# Altium PCB LM-003.PcbDoc
Units mil, origin at the board's own origin, x right, y up, seen from the top; angles counter-clockwise.
Board outline 2638 x 7637.84 mil, 6 copper layers (Top Layer, +5V, +3.3V, Mid-Layer 1, Mid-Layer 2, Bottom Layer), stack 48.434 mil thick; 65 components, 94 nets, 419 pads, 62 vias.
Unrouted connection lines stored in the file: 1.
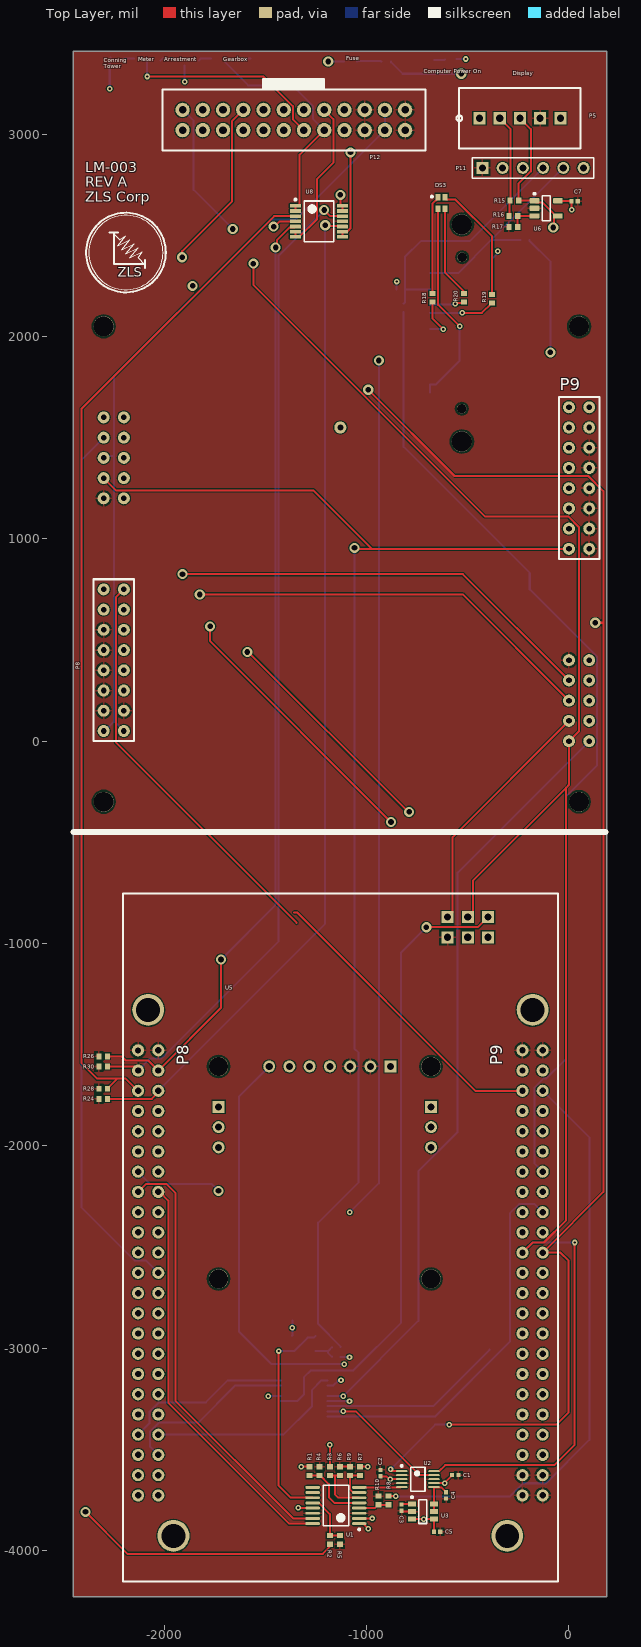
[diagram p0: Top Layer view]
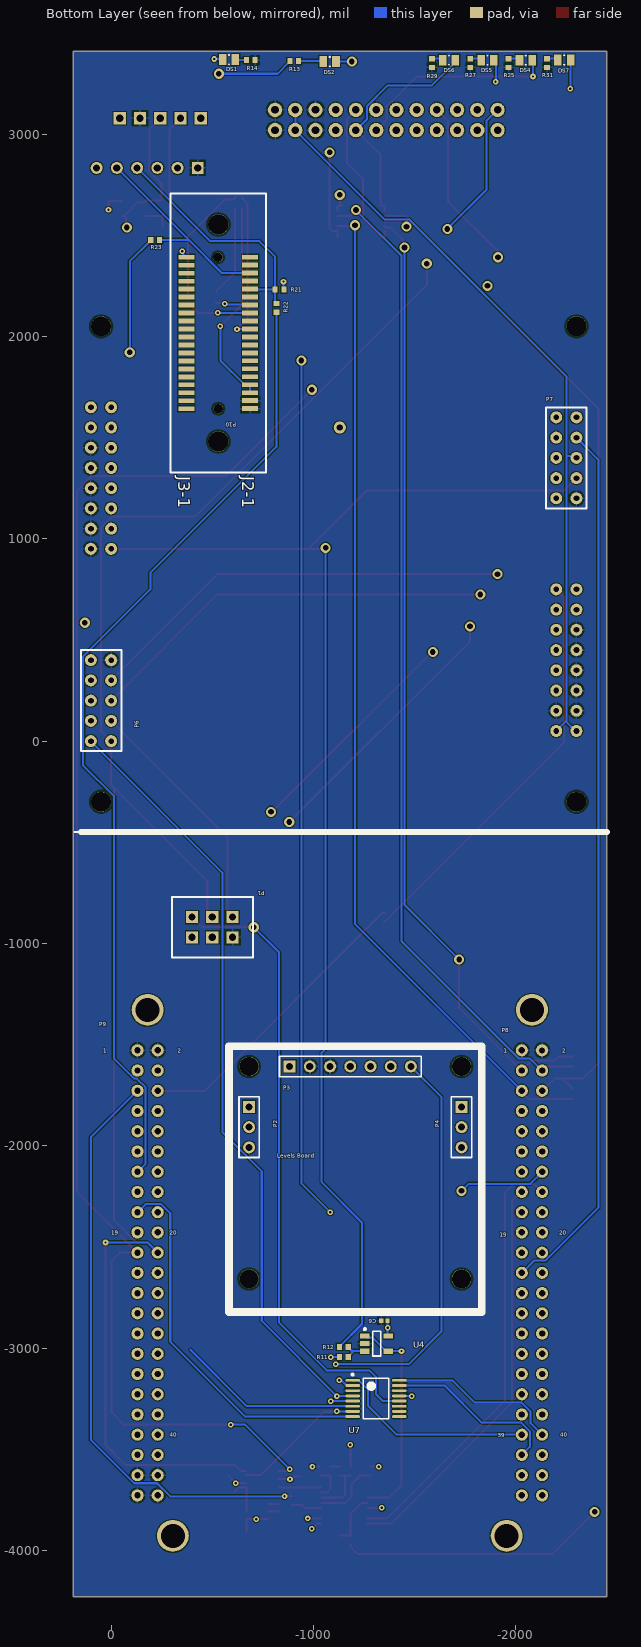
[diagram p1: Bottom Layer view, seen from below]
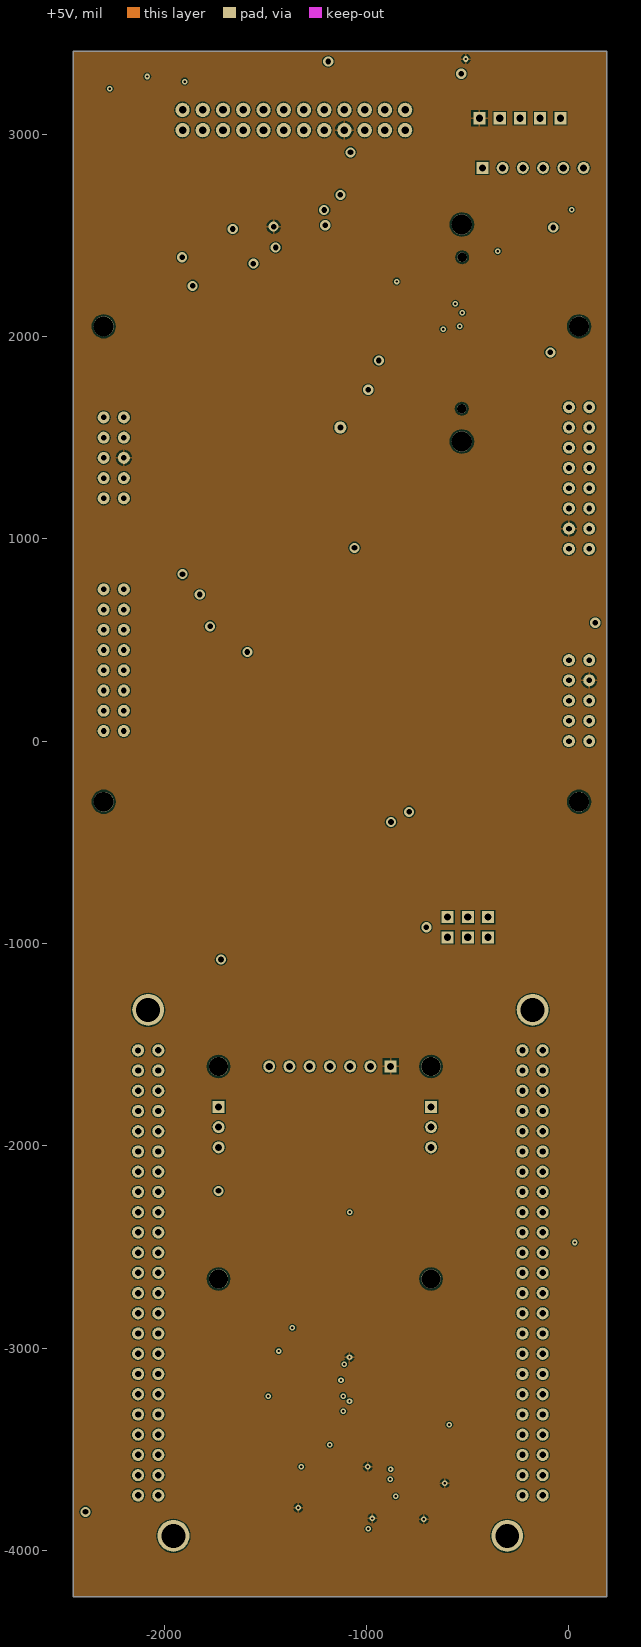
[diagram p2: +5V]
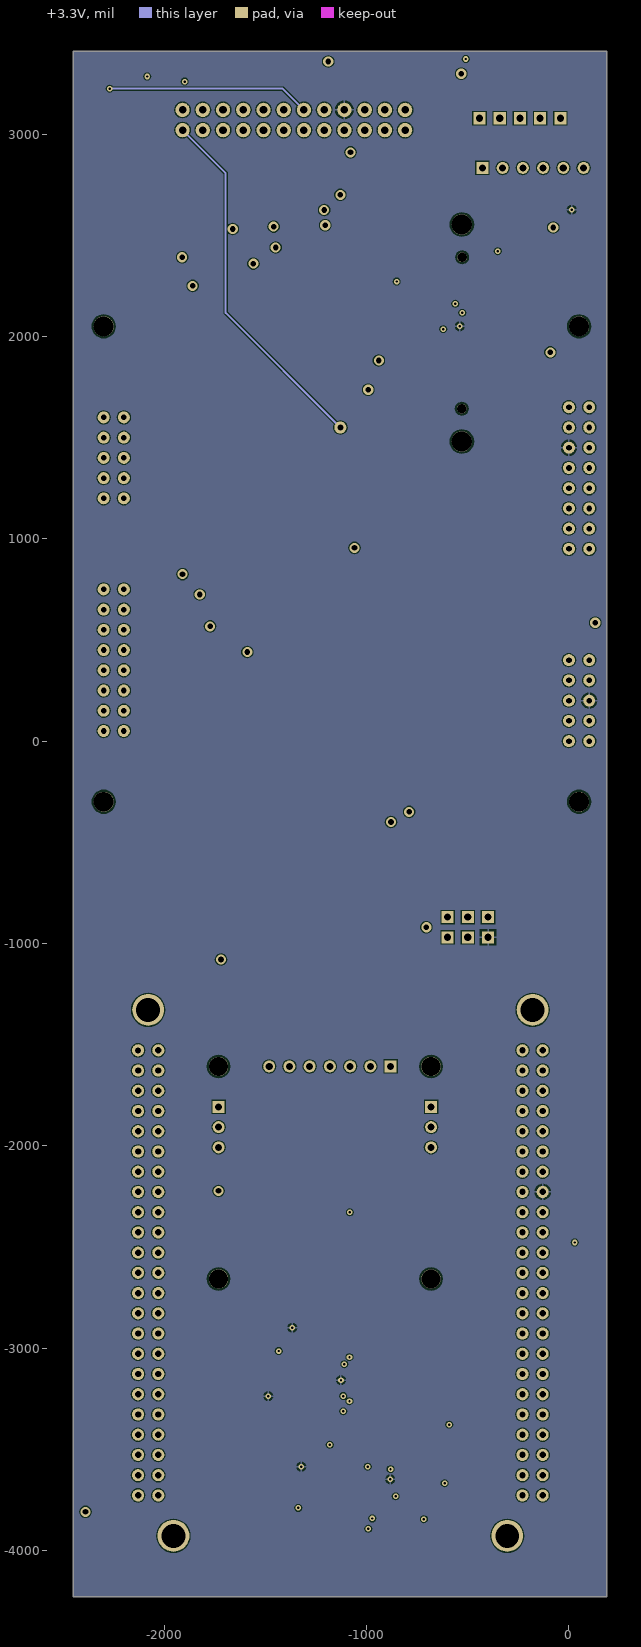
[diagram p3: +3.3V]
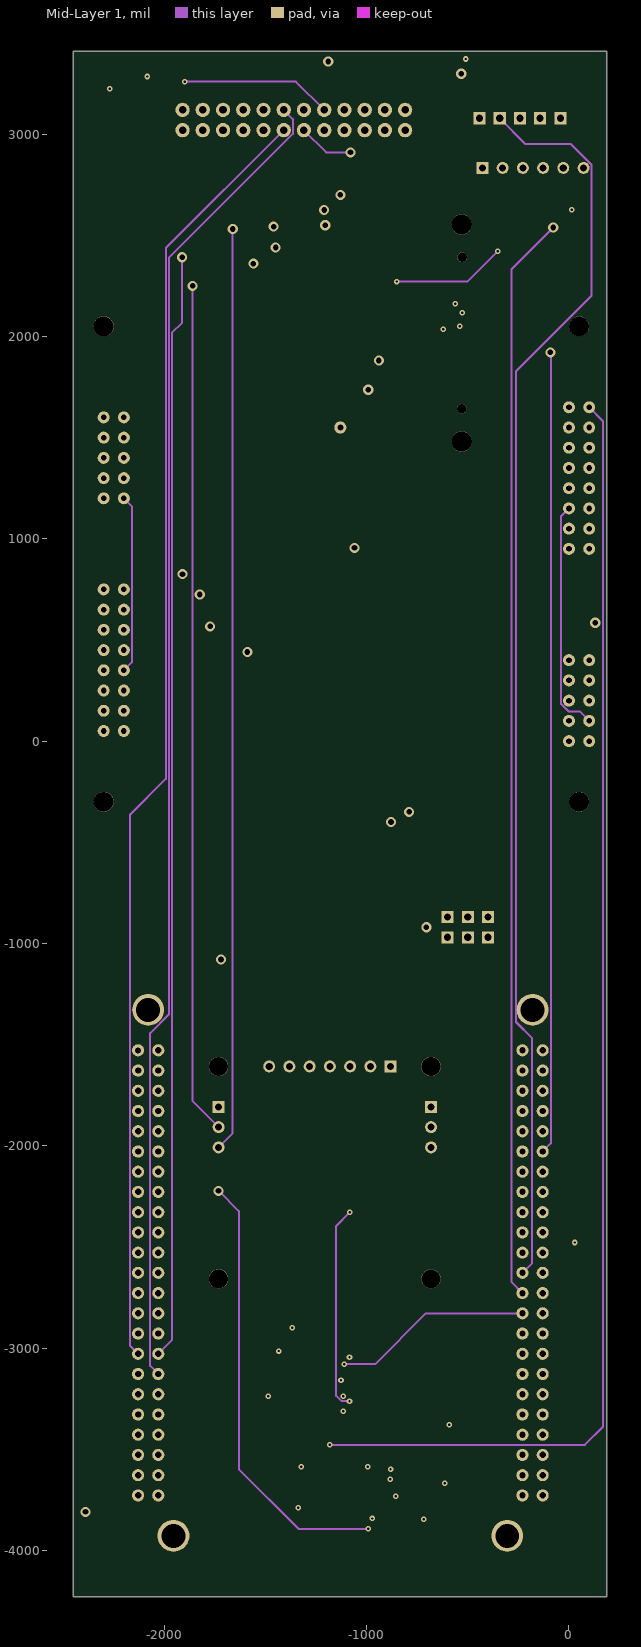
[diagram p4: Mid-Layer 1]
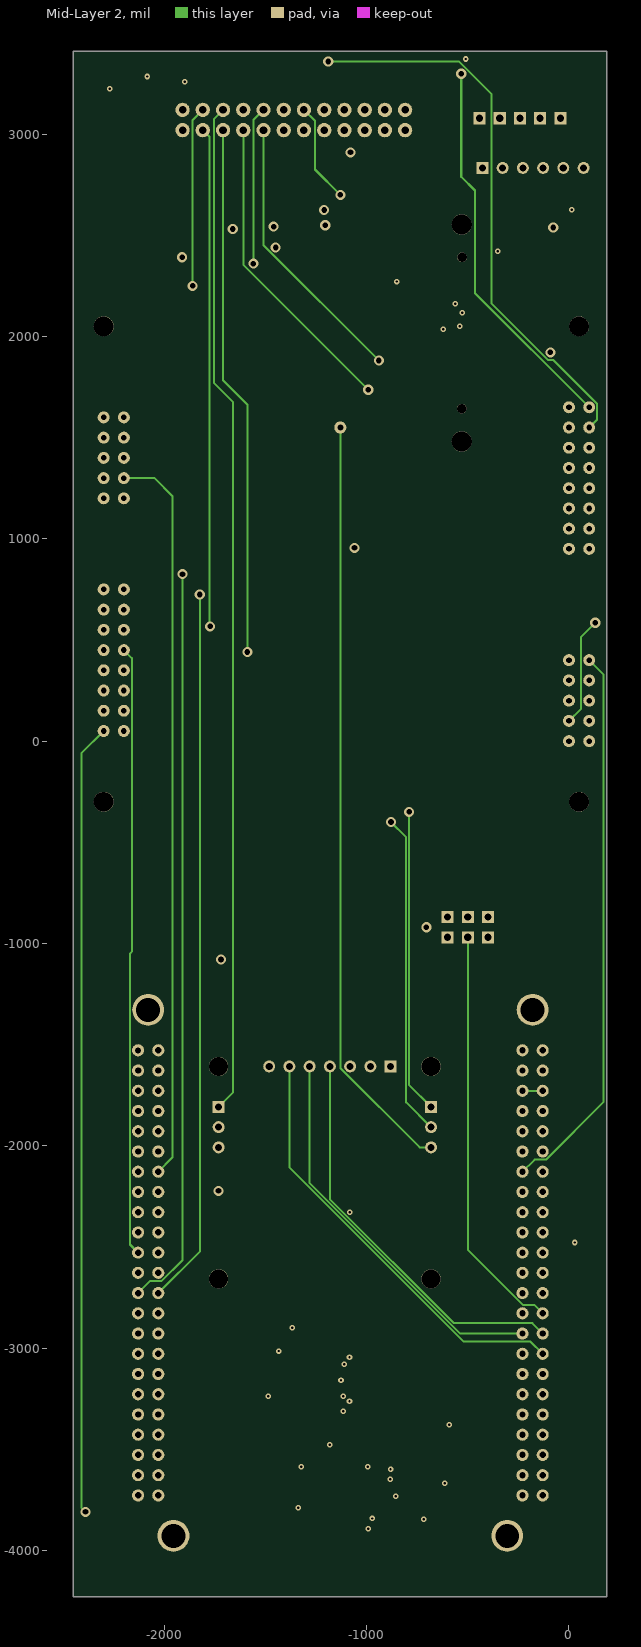
[diagram p5: Mid-Layer 2]

## Layer stack, top to bottom
Top Solder: solder mask 0.4, Solder Resist, Dk 3.5
Top Layer: signal copper 1.4
Dielectric 1: core 10, FR-4, Dk 4.2
+5V: signal copper 1.417
Dielectric 6: prepreg 5, Dk 4.2
+3.3V: signal copper 1.417
Dielectric 4: core 10, Dk 4.2
Mid-Layer 1: signal copper 1.4
Dielectric2: prepreg 5, FR-4, Dk 4.2
Mid-Layer 2: signal copper 1.4
Dielectric 5: core 10, Dk 4.2
Bottom Layer: signal copper 1.4
Bottom Solder: solder mask 0.4, Solder Resist, Dk 3.5

## Board outline
-2450.48,-4229.17 187.52,-4229.17 187.52,3408.68 -2450.48,3408.68

## Design rules (kind name [scope] priority, off if disabled: settings)
Clearance [All] p1: gap=5 ignorepadtopadclearanceinfootprint=TRUE except(10: Arc-Hole Track-Hole Fill-Hole Poly-Hole Region-Hole)
ComponentClearance [All] p1: gap=9 collisioncheckmode=3 verticalgap=10 showdistances=FALSE
HoleSize [All] p1: absolutevalues=TRUE maxlimit=196.85 minlimit=10 maxpercent=80.000 minpercent=20.000
MinimumAnnularRing [All] p1: minimumring=5
MinimumSolderMaskSliver [All] p1: minsoldermaskwidth=2
PolygonConnect [All] p1: connectstyle=Relief reliefconductorwidth=10 reliefentries=4 polygonreliefangle="90 Angle" airgapwidth=10
RoutingVias [All] p1: holewidth=11.81 width=27.56 viastyle="Through Hole" minholewidth=3.94 minwidth=23.62 maxholewidth=28 maxwidth=50
SilkToSilkClearance [All] p1: silktosilkclearance=3.94
SilkToSolderMaskClearance [IsPad] p1: minsilkscreentomaskgap=2.5 clearancetoexposedcopper=TRUE
SolderMaskExpansion [All] p1: expansion=2 soldermaskfromhole=TRUE
Width [All] p1: maxlimit=39.37 minlimit=5 preferedwidth=10
25 further rules are at their usual default settings.

## Classes and differential pairs
component class "BBB Headers": C1 P1 R15 R16 R17 U5 U6 U7
component class heater_control: DS4 DS5 DS6 DS7 P12 R12 R24 R25 R26 R27 R29 R30 R31 U6
component class Connectors: P2 P3 P4 P5 P6 P7 P8 P10 P16
component class Power: C1 C4 C5 C6 DS1 DS2 R1 R2 R3 R4 R5 R6 R7 R8 R9 R10 R11 R12 R14 R16 R33 U1 U6 U7
component class RS232: DS3 P10 P12 R18 R19 R20 R23 R27 R31

## Components (designator, comment, footprint, x,y, rotation, side; value= is the part's Value field where it differs from the comment)
C1 "0.1uF" CAPC0402(1005)60_L -562,-3628.5 r0 top
C2 "0.1uF" CAPC0402(1005)60_L -932,-3618.5 r90 top
C3 "0.1uF" CAPC0402(1005)60_L -827,-3788.5 r270 top
C4 "0.1uF" CAPC0402(1005)60_L -607,-3728.5 r90 top
C5 "0.1uF" CAPC0402(1005)60_L -652,-3908.5 r0 top
C6 "0.1uF" CAPC0402(1005)60_L -1351,-2865 r0 bottom
C7 "0.1uF" CAPC0402(1005)60_L 27.52,2668.68 r0 top
DS1 "Lite-On LTST-S220KGKT Green LED, 571 nm 2012 (0805) Side View, Rectangle Lens SMD package" 0805C_L -582.48,3368.68 r180 bottom
DS2 "Lite-On LTST-S220KGKT Green LED, 571 nm 2012 (0805) Side View, Rectangle Lens SMD package" 0805C_L -1080,3359 r0 bottom
DS3 "LTST-C19HE1WT" LTST-C19HE1WT-4_V -630,2660 r0 top
DS4 "Visible Name Value Type    False Description Lite-On LTST-S220KRKT Red LED, 631 nm 2012 (0805) Side View, Rectangle Lens SMD package STRING" 0805C_L -2050,3365 r0 bottom
DS5 "Visible Name Value Type    False Description Lite-On LTST-S220KRKT Red LED, 631 nm 2012 (0805) Side View, Rectangle Lens SMD package STRING" 0805C_L -1860,3365 r0 bottom
DS6 "Visible Name Value Type    False Description Lite-On LTST-S220KRKT Red LED, 631 nm 2012 (0805) Side View, Rectangle Lens SMD package STRING" 0805C_L -1670,3365 r0 bottom
DS7 "Visible Name Value Type    False Description Lite-On LTST-S220KRKT Red LED, 631 nm 2012 (0805) Side View, Rectangle Lens SMD package STRING" 0805C_L -2240,3366.5 r0 bottom
P1 "IPL1-103-01-F-D" IPL1-103-01-F-D -400,-970 r180 bottom
P2 "Header 3" HDR1X3 -681.85,-1808.32 r270 bottom
P3 "Header 7" HDR1X7 -881.85,-1608.32 r180 bottom
P4 "Header 3" HDR1X3 -1731.85,-1808.32 r270 bottom
P5 "IPL1-105-01-F-S-K" IPL1-105-01-F-S-K -442.48,3078.68 r0 top
P6 "SLW-105-01-G-D" SLW-105-01-G-D 100,400 r270 bottom locked
P7 "SLW-105-01-G-D" SLW-105-01-G-D -2200,1600 r270 bottom
P8 "SLW-108-01-G-D" SLW-108-01-G-D -2300,750 r270 top
P9 "SLW-108-01-G-D" SLW-108-01-G-D 0,1650 r270 top
P10 "FSI-120-03-G-D-E-AB" FSI-120-03-G-D-E-AB -372,2391.5 r270 bottom
P11 "Header 100 mil (2.54 mm)" HDR1X6 -428,2833 r0 top
P12 "IPL1-112-01-F-S-K" IPL1-112-01-F-S-K -1910,3020 r0 top
R1 "10k" RESC0402(1005)_M -1282,-3608.5 r90 top
R2 "100k" RESC0402(1005)_M -1182,-3948.5 r270 top
R3 "100k" RESC0402(1005)_M -1182,-3608.5 r90 top
R4 "1.5k" RESC0402(1005)_M -1232,-3608.5 r270 top
R5 "10k" RESC0402(1005)_M -1132,-3948.5 r90 top
R6 "10k" RESC0402(1005)_M -1132,-3608.5 r270 top
R7 "20k" RESC0402(1005)_M -1032,-3608.5 r90 top
R8 "20k" RESC0402(1005)_M -892,-3753.5 r90 top
R9 "10k" RESC0402(1005)_M -1082,-3608.5 r270 top
R10 "10k" RESC0402(1005)_M -942,-3753.5 r270 top
R11 "10k" RESC0402(1005)_M -1150,-3045 r0 bottom
R12 "10k" RESC0402(1005)_M -1150,-2995 r180 bottom
R13 "4.99k" RESC0402(1005)_M -905,3361.5 r0 bottom
R14 "10k" RESC0402(1005)_M -690,3366.5 r180 bottom
R15 "DNP" RESC0402(1005)_M -270,2671.5 r0 top
R16 "TBD" RESC0402(1005)_M -275,2596.5 r180 top
R17 "19.1k" RESC0402(1005)_M -275,2541.5 r0 top
R18 "100" RESC0402(1005)_M -675,2191.5 r270 top
R19 "100" RESC0402(1005)_M -380,2186.5 r270 top
R20 "100" RESC0402(1005)_M -520,2191.5 r270 top
R21 "100" RESC0402(1005)_M -832,2231.5 r180 bottom
R22 "100" RESC0402(1005)_M -817,2141.5 r270 bottom
R23 "100" RESC0402(1005)_M -217,2476.5 r0 bottom
R24 "20k" RESC0402(1005)_M -2302,-1768.5 r180 top
R25 "4.99k" RESC0402(1005)_M -1965,3351.5 r270 bottom
R26 "20k" RESC0402(1005)_M -2302,-1558.5 r180 top
R27 "4.99k" RESC0402(1005)_M -1775,3351.5 r270 bottom
R28 "20k" RESC0402(1005)_M -2302,-1718.5 r180 top
R29 "4.99k" RESC0402(1005)_M -1585,3351.5 r270 bottom
R30 "20k" RESC0402(1005)_M -2302,-1608.5 r180 top
R31 "4.99k" RESC0402(1005)_M -2155,3351.5 r270 bottom
U1 "ADG1608BRUZ" ADI-RU-16_M -1152,-3778.5 r180 top
U2 "MAX11100EUB+T" U10+2_L -747,-3648.5 r0 top
U3 "MAX6070AAUT41+T" SOT95P280X445-6N -722,-3808.5 r0 top
U4 "OPA188AIDBVR" DBV0005A_M -1312,-2978.5 r180 bottom
U5 "BBB" "BEAGLEBONE BLACK" -1130,-2628.5 r0 top locked
U6 "OPA188AIDBVR" DBV0005A_M -112.48,2633.68 r0 top
U7 "ADG1608BRUZ" ADI-RU-16_M -1308.95,-3249.32 r180 bottom
U8 "OPA4188AIPWR" PW0014A_N -1236.08,2569.12 r0 top

## Footprints (in the part's own frame and the unit in brackets; to place one, negate y for a bottom-side part, rotate by r counter-clockwise, add the part's x,y. Pads: shape width x height; smd on the part's side, far side on the other; paste and mask are expansions set on the pad)
0805C_L [mm]
  rect 0.95x1.35 smd: 1(-0.8,0) 2(0.8,0)
  silkscreen extent -0.05,-0.57 0.05,0.57, body extent -1.1,-0.72 1.1,0.72, height 0.75
ADI-RU-16_M [mm] "SOP, 16-Leads, Body 5x4.4mm, Pitch 0.65mm, IPC Low Density"
  oval 1.85x0.35 smd: 1(-2.925,2.275) 2(-2.925,1.625) 3(-2.925,0.975) 4(-2.925,0.325) 5(-2.925,-0.325) 6(-2.925,-0.975) 7(-2.925,-1.625) 8(-2.925,-2.275) 9(2.925,-2.275) 10(2.925,-1.625) 11(2.925,-0.975) 12(2.925,-0.325) 13(2.925,0.325) 14(2.925,0.975) 15(2.925,1.625) 16(2.925,2.275)
  silkscreen extent -3.05,-2.55 1.6,3.12, body extent -2.25,-2.55 2.25,2.55, height 1.2
"BEAGLEBONE BLACK" [mil]
  round 60 hole 31.5: 8-1(-900,1100) 8-3(-900,1000) 8-4(-1000,1000) 8-5(-900,900) 8-6(-1000,900) 8-7(-900,800) 8-8(-1000,800) 8-9(-900,700) 8-10(-1000,700) 8-11(-900,600) 8-12(-1000,600) 8-13(-900,500) 8-14(-1000,500) 8-15(-900,400) 8-16(-1000,400) 8-17(-900,300) 8-18(-1000,300) 8-19(-900,200) 8-20(-1000,200) 8-21(-900,100) 8-22(-1000,100) 8-23(-900,0) 8-24(-1000,0) 8-25(-900,-100) 8-26(-1000,-100) 8-27(-900,-200) 8-28(-1000,-200) 8-29(-900,-300) 8-30(-1000,-300) 8-31(-900,-400) 8-32(-1000,-400) 8-33(-900,-500) 8-34(-1000,-500) 8-35(-900,-600) 8-36(-1000,-600) 8-37(-900,-700) 8-38(-1000,-700) 8-39(-900,-800) 8-40(-1000,-800) 8-41(-900,-900) 8-42(-1000,-900) 8-43(-900,-1000) 8-44(-1000,-1000) 8-45(-900,-1100) 8-46(-1000,-1100) 9-1(1000,1100) 9-2(900,1100) 9-3(1000,1000) 9-4(900,1000) 9-5(1000,900) 9-6(900,900) 9-7(1000,800) 9-8(900,800) 9-9(1000,700) 9-10(900,700) 9-11(1000,600) 9-12(900,600) 9-13(1000,500) 9-14(900,500) 9-15(1000,400) 9-16(900,400) 9-17(1000,300) 9-18(900,300) 9-19(1000,200) 9-20(900,200) 9-21(1000,100) 9-22(900,100) 9-23(1000,0) 9-24(900,0) 9-25(1000,-100) 9-26(900,-100) 9-27(1000,-200) 9-28(900,-200) 9-29(1000,-300) 9-30(900,-300) 9-31(1000,-400) 9-32(900,-400) 9-33(1000,-500) 9-34(900,-500) 9-35(1000,-600) 9-36(900,-600) 9-37(1000,-700) 9-38(900,-700) 9-39(1000,-800) 9-40(900,-800) 9-41(1000,-900) 9-42(900,-900) 9-43(1000,-1000) 9-44(900,-1000) 9-45(1000,-1100) 9-46(900,-1100)
  round 60 hole 30 paste+0: 8-2(-1000,1100)
  round 157.48 hole 118.11 paste+0: ""(-950,1300)
  round 157.48 hole 118.11: ""(-825,-1300) ""(825,-1300) ""(950,1300)
  silkscreen extent -1075,-1525 1075,1875, body extent -1078,-1586 1074,1975, height 493
CAPC0402(1005)60_L [mm] "Chip Capacitor, Body 1.0x0.5mm, Height 0.6mm, IPC High Density"
  rect 0.52x0.52 smd: 1(-0.4,0) 2(0.4,0)
  body extent -0.55,-0.3 0.55,0.3, height 0.6
DBV0005A_M [mm] "SOT23, 5-Leads, Body 3.05x1.75mm, Pitch 0.95mm, IPC Low Density"
  rrect15% 1.2x0.65 smd: 1(-1.475,0.95) 2(-1.475,0) 3(-1.475,-0.95) 4(1.475,-0.95) 5(1.475,0.95)
  silkscreen extent -1.6,-1.55 0.5,1.95, body extent -1.42,-1.46 1.42,1.46, height 1.08
FSI-120-03-G-D-E-AB [mm]
  round 2.54 hole 2.54: hole(-4.112,4.003) hole(23.127,4.003)
  round 1.194 hole 1.194: hole(0,3.962) hole(19.014,4.003)
  rect 0.61x2 smd: J2-1(19.005,8) J2-2(18.004,8) J2-3(17.003,8) J2-4(16.002,8) J2-5(15.002,8) J2-6(14.001,8) J2-7(13,8) J2-8(11.999,8) J2-9(10.998,8) J2-10(9.998,8) J2-11(8.997,8) J2-12(7.996,8) J2-13(6.995,8) J2-14(5.995,8) J2-15(4.994,8) J2-16(3.993,8) J2-17(2.992,8) J2-18(1.992,8) J2-19(0.991,8) J2-20(-0.01,8) J3-1(19.014,0.006) J3-2(18.014,0.006) J3-3(17.013,0.006) J3-4(16.012,0.006) J3-5(15.011,0.006) J3-6(14.011,0.006) J3-7(13.01,0.006) J3-8(12.009,0.006) J3-9(11.008,0.006) J3-10(10.008,0.006) J3-11(9.007,0.006) J3-12(8.006,0.006) J3-13(7.005,0.006) J3-14(6.005,0.006) J3-15(5.004,0.006) J3-16(4.003,0.006) J3-17(3.002,0.006) J3-18(2.002,0.006) J3-19(1.001,0.006) J3-20(0,0.006)
  silkscreen extent -7.99,-2 27.01,10.01, body extent -6.57,-0.55 27.53,8.78, height 4.13
HDR1X3 [mm] "Connector; Header; 3 Position"
  rect 1.5x1.5 hole 0.9: 1(0,0)
  round 1.5 hole 0.9: 2(2.54,0) 3(5.08,0)
  silkscreen extent -1.27,-1.27 6.35,1.27
HDR1X6 [mm] "Connector; Header; 6 Position"
  rect 1.5x1.5 hole 0.9: 1(0,0)
  round 1.5 hole 0.9: 2(2.54,0) 3(5.08,0) 4(7.62,0) 5(10.16,0) 6(12.7,0)
  silkscreen extent -1.27,-1.27 13.97,1.27
HDR1X7 [mm] "Connector; Header; 7 Position"
  rect 1.5x1.5 hole 0.9: 1(0,0)
  round 1.5 hole 0.9: 2(2.54,0) 3(5.08,0) 4(7.62,0) 5(10.16,0) 6(12.7,0) 7(15.24,0)
  silkscreen extent -1.27,-1.27 16.51,1.27
IPL1-103-01-F-D [mil]
  rect 60x60 hole 35.43: 1(0,0) 2(0,100) 3(100,0) 4(100,100) 5(200,0) 6(200,100)
  silkscreen extent -100,-100 300,200, body extent -100,-100 280,210, height 320
IPL1-105-01-F-S-K [mil]
  rect 60x60 hole 35.43: 1(0,0) 2(100,0) 3(200,0) 4(300,0) 5(400,0)
  silkscreen extent -114,-150 500,150, body extent -80,-140 480,120, height 320
IPL1-112-01-F-S-K [mm]
  round 1.8 hole 0.95: 1(0,0) 2(0,2.54) 3(2.54,0) 4(2.54,2.54) 5(5.08,0) 6(5.08,2.54) 7(7.62,0) 8(7.62,2.54) 9(10.16,0) 10(10.16,2.54) 11(12.7,0) 12(12.7,2.54) 13(15.24,0) 14(15.24,2.54) 15(17.78,0) 16(17.78,2.54) 17(20.32,0) 18(20.32,2.54) 19(22.86,0) 20(22.86,2.54) 21(25.4,0) 22(25.4,2.54) 23(27.94,0) 24(27.94,2.54)
  silkscreen extent -2.54,-2.54 30.48,5.08, body extent -1.98,-3.05 30.02,4.83, height 8.13
LTST-C19HE1WT-4_V [mm] "SMD, 4-Leads, Body 1.6x1.6mm, Pitch 0.85mm"
  rect 0.65x0.85 smd: 1(-0.425,0.725) 2(0.425,0.725) 3(0.425,-0.725) 4(-0.425,-0.725)
  silkscreen extent -1.34,0.67 -1.09,0.92, body extent -0.8,-0.8 0.8,0.8, height 0.35
PW0014A_N [mm] "SOP, 14-Leads, Body 5.1x4.5mm, Pitch 0.65mm, IPC Medium Density"
  rrect22% 1.4x0.45 smd: 1(-2.95,1.95) 2(-2.95,1.3) 3(-2.95,0.65) 4(-2.95,0) 5(-2.95,-0.65) 6(-2.95,-1.3) 7(-2.95,-1.95) 8(2.95,-1.95) 9(2.95,-1.3) 10(2.95,-0.65) 11(2.95,0) 12(2.95,0.65) 13(2.95,1.3) 14(2.95,1.95)
  silkscreen extent -3.07,-2.55 1.85,2.85, body extent -3.21,-2.5 3.21,2.5, height 1
RESC0402(1005)_M [mm] "Chip Resistor, Body 1.0x0.5mm, IPC Low Density"
  rect 0.65x0.75 smd: 1(-0.55,0) 2(0.55,0)
  body extent -0.52,-0.28 0.53,0.28, height 0.4
SLW-105-01-G-D [mm]
  round 1.5 hole 0.71: 1(0,0) 2(0,2.54) 3(2.54,0) 4(2.54,2.54) 5(5.08,0) 6(5.08,2.54) 7(7.62,0) 8(7.62,2.54) 9(10.16,0) 10(10.16,2.54)
  silkscreen extent -1.27,-1.27 11.43,3.81, body extent -1.27,-1.27 11.43,3.68, height 4.57
SLW-108-01-G-D [mm]
  round 1.5 hole 0.71: 1(0,0) 2(0,2.54) 3(2.54,0) 4(2.54,2.54) 5(5.08,0) 6(5.08,2.54) 7(7.62,0) 8(7.62,2.54) 9(10.16,0) 10(10.16,2.54) 11(12.7,0) 12(12.7,2.54) 13(15.24,0) 14(15.24,2.54) 15(17.78,0) 16(17.78,2.54)
  silkscreen extent -1.27,-1.27 19.05,3.81, body extent -1.27,-1.27 19.05,3.68, height 4.57
SOT95P280X445-6N [mm] "SOT23, 6-Leads, Body 2.90x2.80mm, Pitch 0.95mm, IPC Medium Density"
  rect 1x0.6 smd: 1(-1.375,0.95) 2(-1.375,0) 3(-1.375,-0.95) 4(1.375,-0.95) 5(1.375,0) 6(1.375,0.95)